# KiCad board LightRail_LPO_1.6T.kicad_pcb (continued)
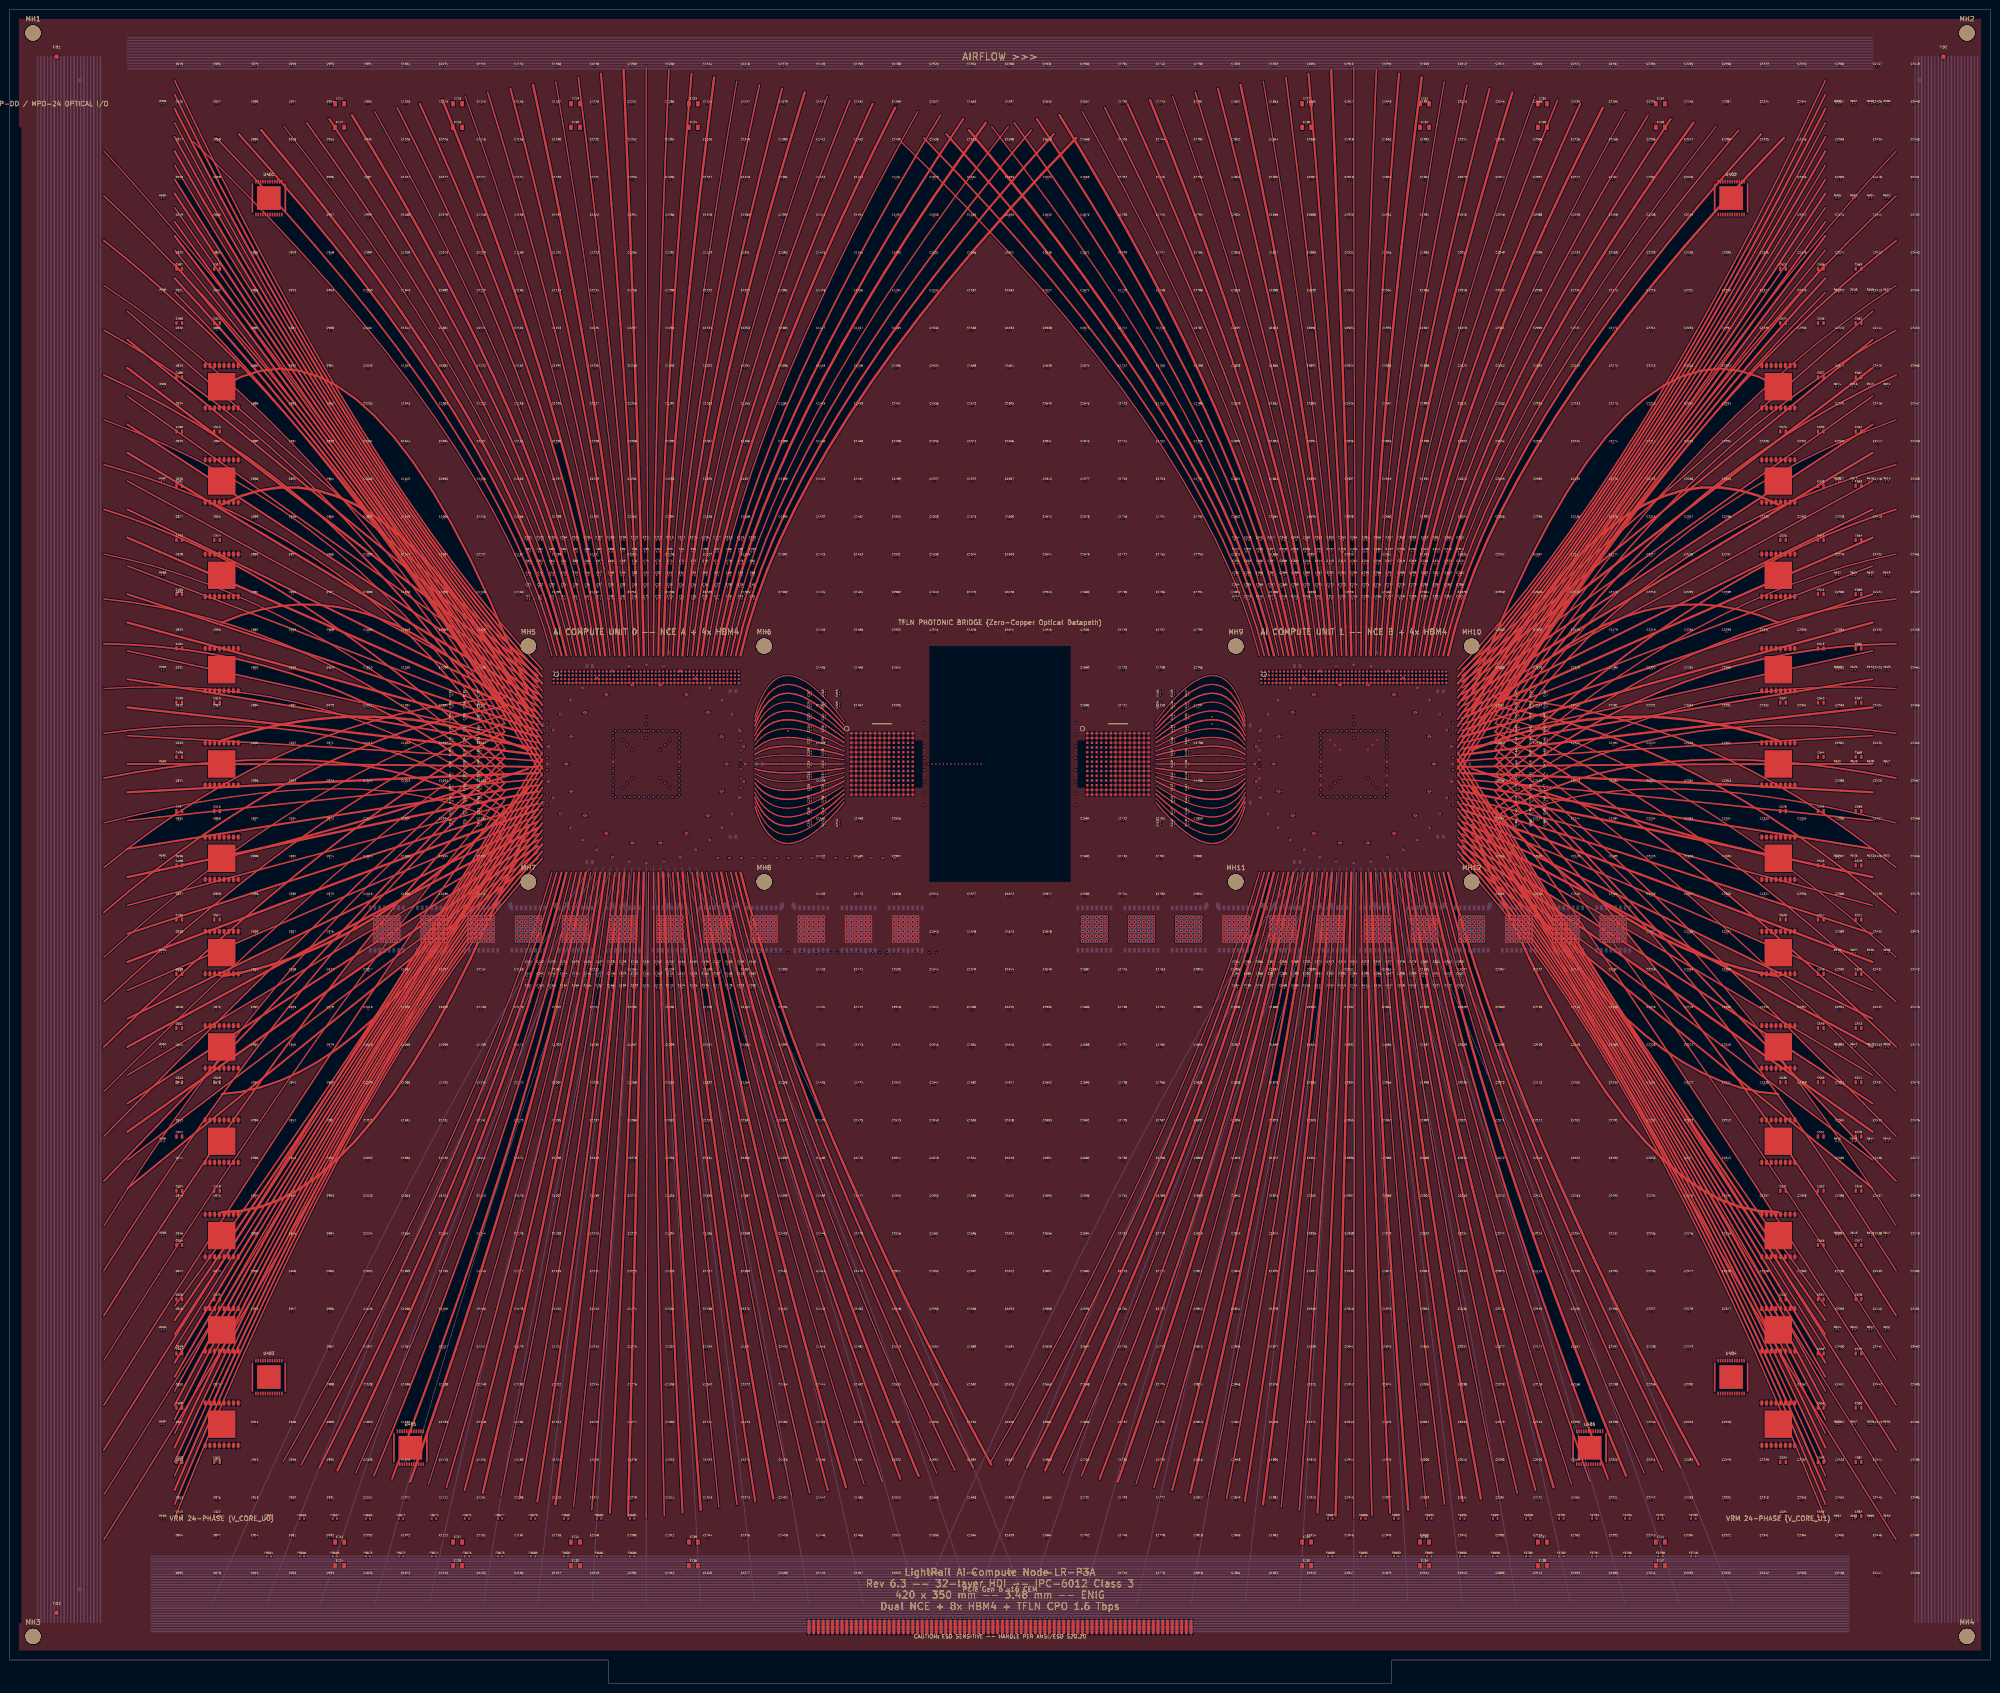
[diagram p0: board, top side]
## Routing (per net, layer and track width the routed paths; a pad name or vN(x,y) marks a point on that pad's centre or on a via; arc(x,y) is an arc through that point) (continued)
V_CORE_U0: length 2191.3
  Top w0.25: 115,172 113.02,165.42 110.83,158.67 108.43,151.76 105.81,144.69 102.99,137.45 99.95,130.05 96.71,122.48 93.25,114.75 89.58,106.85 85.7,98.8 81.61,90.57 77.31,82.19 72.8,73.64 68.08,64.92 63.15,56.04 58,47
  Top w0.33: 116.03,172 114.14,165.42 112.06,158.66 109.77,151.74 107.29,144.65 104.6,137.39 101.72,129.96 98.63,122.37 95.34,114.6 91.86,106.67 88.17,98.56 84.28,90.29 80.2,81.85 75.91,73.24 71.42,64.46 66.74,55.52 61.85,46.4
  Top w0.41: 65.7,45.8 70.33,54.99 74.77,64 79.02,72.85 83.08,81.51 86.96,90.01 90.64,98.33 94.13,106.48 97.44,114.45 100.55,122.25 103.48,129.88 106.21,137.33 108.76,144.61 111.12,151.72 113.28,158.65 115.26,165.41 117.05,172
  In9.Cu w0.8: 110,275 110,195 ; 110,195 110,175 ; 110,195 110,115 ; 110,195 110,75 ; 110,195 110,235 ; 110,195 110,255 ; 110,195 110,215 ; 110,195 110,135 ; 110,195 110,155 ; 110,195 110,95 ; 110,195 110,55
  In9.Cu w1: U310.EP 110,115 ; U302.EP 110,275 ; U307.EP 110,175 ; U311.EP 110,95 ; U303.EP 110,255 ; U308.EP 110,155 ; U312.EP 110,75 ; U305.EP 110,215 ; U304.EP 110,235 ; U306.EP 110,195 ; U309.EP 110,135 ; U313.EP 110,55
  In10.Cu w0.8: U336.EP 180,180 ; U332.EP 140,180 ; U330.EP 120,180 ; U335.EP 170,180 ; U331.EP 130,180 ; U329.EP 110,180 ; U334.EP 160,180 ; U333.EP 150,180 ; U327.EP 90,180 ; U326.EP 80,180 ; U328.EP 100,180 ; U337.EP 190,180
  vias: v4(107.5,162.5) v4(107.5,161.5) v4(107.5,160.5) v4(107.5,159.5) v4(107.5,158.5) v4(107.5,157.5) v4(108.5,162.5) v4(108.5,161.5) v4(108.5,160.5) v4(108.5,159.5) v4(108.5,158.5) v4(108.5,157.5) v4(109.5,162.5) v4(109.5,161.5) v4(109.5,160.5) v4(109.5,159.5) v4(109.5,158.5) v4(109.5,157.5) v4(110.5,162.5) v4(110.5,161.5) v4(110.5,160.5) v4(110.5,159.5) v4(110.5,158.5) v4(110.5,157.5) v4(111.5,162.5) v4(111.5,161.5) v4(111.5,160.5) v4(111.5,159.5) v4(111.5,158.5) v4(111.5,157.5) v4(112.5,162.5) v4(112.5,161.5) v4(112.5,160.5) v4(112.5,159.5) v4(112.5,158.5) v4(112.5,157.5)
V_CORE_U1: length 2052.9
  Top w0.41: 303.97,172 305.64,165.41 307.5,158.65 309.56,151.72 311.82,144.61 314.27,137.33 316.92,129.88 319.77,122.25 322.82,114.45 326.06,106.48 329.5,98.33 333.14,90.01 336.98,81.51 341.01,72.85 345.25,64 349.67,54.99 354.3,45.8
  Top w0.49: 305,172 306.76,165.42 308.73,158.66 310.91,151.74 313.29,144.65 315.88,137.39 318.69,129.96 321.69,122.37 324.91,114.6 328.34,106.67 331.97,98.56 335.81,90.29 339.87,81.85 344.12,73.24 348.59,64.46 353.27,55.52 358.15,46.4
  In9.Cu w0.8: 310,275 310,195 ; 310,195 310,175 ; 310,195 310,215 ; 310,195 310,235 ; 310,195 310,95 ; 310,195 310,255 ; 310,195 310,55 ; 310,195 310,135 ; 310,195 310,75 ; 310,195 310,115 ; 310,195 310,155
  In9.Cu w1: U315.EP 310,255 ; U316.EP 310,235 ; U319.EP 310,175 ; U325.EP 310,55 ; U318.EP 310,195 ; U321.EP 310,135 ; U324.EP 310,75 ; U323.EP 310,95 ; U322.EP 310,115 ; U314.EP 310,275 ; U317.EP 310,215 ; U320.EP 310,155
  In10.Cu w0.8: U347.EP 320,180 ; U339.EP 240,180 ; U342.EP 270,180 ; U345.EP 300,180 ; U341.EP 260,180 ; U349.EP 340,180 ; U344.EP 290,180 ; U348.EP 330,180 ; U346.EP 310,180 ; U343.EP 280,180 ; U338.EP 230,180 ; U340.EP 250,180
  vias: v4(227.5,162.5) v4(227.5,161.5) v4(227.5,160.5) v4(227.5,159.5) v4(227.5,158.5) v4(227.5,157.5) v4(228.5,162.5) v4(228.5,161.5) v4(228.5,160.5) v4(228.5,159.5) v4(228.5,158.5) v4(228.5,157.5) v4(229.5,162.5) v4(229.5,161.5) v4(229.5,160.5) v4(229.5,159.5) v4(229.5,158.5) v4(229.5,157.5) v4(230.5,162.5) v4(230.5,161.5) v4(230.5,160.5) v4(230.5,159.5) v4(230.5,158.5) v4(230.5,157.5) v4(231.5,162.5) v4(231.5,161.5) v4(231.5,160.5) v4(231.5,159.5) v4(231.5,158.5) v4(231.5,157.5) v4(232.5,162.5) v4(232.5,161.5) v4(232.5,160.5) v4(232.5,159.5) v4(232.5,158.5) v4(232.5,157.5) v4(237.5,162.5) v4(237.5,161.5) v4(237.5,160.5) v4(237.5,159.5) v4(237.5,158.5) v4(237.5,157.5) v4(238.5,162.5) v4(238.5,161.5) v4(238.5,160.5) v4(238.5,159.5) v4(238.5,158.5) v4(238.5,157.5) v4(239.5,162.5) v4(239.5,161.5) v4(239.5,160.5) v4(239.5,159.5) v4(239.5,158.5) v4(239.5,157.5) v4(240.5,162.5) v4(240.5,161.5) v4(240.5,160.5) v4(240.5,159.5) v4(240.5,158.5) v4(240.5,157.5) v4(241.5,162.5) v4(241.5,161.5) v4(241.5,160.5) v4(241.5,159.5) v4(241.5,158.5) v4(241.5,157.5) v4(242.5,162.5) v4(242.5,161.5) v4(242.5,160.5) v4(242.5,159.5) v4(242.5,158.5) v4(242.5,157.5) v4(247.5,162.5) v4(247.5,161.5) v4(247.5,160.5) v4(247.5,159.5) v4(247.5,158.5) v4(247.5,157.5) v4(248.5,162.5) v4(248.5,161.5) v4(248.5,160.5) v4(248.5,159.5) v4(248.5,158.5) v4(248.5,157.5) v4(249.5,162.5) v4(249.5,161.5) v4(249.5,160.5) v4(249.5,159.5) v4(249.5,158.5) v4(249.5,157.5) v4(250.5,162.5) v4(250.5,161.5) v4(250.5,160.5) v4(250.5,159.5) v4(250.5,158.5) v4(250.5,157.5) v4(251.5,162.5) v4(251.5,161.5) v4(251.5,160.5) v4(251.5,159.5) v4(251.5,158.5) v4(251.5,157.5) v4(252.5,162.5) v4(252.5,161.5) v4(252.5,160.5) v4(252.5,159.5) v4(252.5,158.5) v4(252.5,157.5) v4(307.5,162.5) v4(307.5,161.5) v4(307.5,160.5) v4(307.5,159.5) v4(307.5,158.5) v4(307.5,157.5) v4(308.5,162.5) v4(308.5,161.5) v4(308.5,160.5) v4(308.5,159.5) v4(308.5,158.5) v4(308.5,157.5) v4(309.5,162.5) v4(309.5,161.5) v4(309.5,160.5) v4(309.5,159.5) v4(309.5,158.5) v4(309.5,157.5) v4(310.5,162.5) v4(310.5,161.5) v4(310.5,160.5) v4(310.5,159.5) v4(310.5,158.5) v4(310.5,157.5) v4(311.5,162.5) v4(311.5,161.5) v4(311.5,160.5) v4(311.5,159.5) v4(311.5,158.5) v4(311.5,157.5) v4(312.5,162.5) v4(312.5,161.5) v4(312.5,160.5) v4(312.5,159.5) v4(312.5,158.5) v4(312.5,157.5)

## Copper pours and planes (outline as drawn; the poured copper is in the pictures)
GND on Top: 2,353 418,353 418,7 2,7
GND on Bottom: 2,353 418,353 418,7 2,7
GND on In1.Cu: 2,353 418,353 418,7 2,7
GND on In4.Cu: 2,353 418,353 418,7 2,7
GND on In6.Cu: 2,353 418,353 418,7 2,7
GND on In8.Cu: 2,353 418,353 418,7 2,7
GND on In13.Cu: 2,353 418,353 418,7 2,7
GND on In15.Cu: 2,353 418,353 418,7 2,7
GND on In17.Cu: 2,353 418,353 418,7 2,7
GND on In21.Cu: 2,353 418,353 418,7 2,7
GND on In23.Cu: 2,353 418,353 418,7 2,7
GND on In25.Cu: 2,353 418,353 418,7 2,7
GND on In27.Cu: 2,353 418,353 418,7 2,7
GND on In30.Cu: 2,353 418,353 418,7 2,7
V_AUX on In16.Cu: 2,353 418,353 418,7 2,7
V_AUX on In20.Cu: 2,353 418,353 418,7 2,7
V_CORE_U0 on In10.Cu: 2,353 210,353 210,7 2,7
V_CORE_U0 on In11.Cu: 2,353 210,353 210,7 2,7
V_CORE_U0 on In18.Cu: 2,353 210,353 210,7 2,7
V_CORE_U1 on In12.Cu: 210,353 418,353 418,7 210,7
V_CORE_U1 on In14.Cu: 210,353 418,353 418,7 210,7
V_CORE_U1 on In19.Cu: 210,353 418,353 418,7 210,7

## Text on the board
B.Silkscreen: LR-P3A Rev 6.3 -- B.Cu DrMOS Vertical Power Delivery
F.Fabrication: SILICON INTERPOSER (NCE A + 4x HBM4) | SILICON INTERPOSER (NCE B + 4x HBM4)
F.Silkscreen: CAUTION: ESD SENSITIVE -- HANDLE PER ANSI/ESD S20.20 | QSFP-DD / MPO-24 OPTICAL I/O | VRM 24-PHASE (V_CORE_U0) | TFLN PHOTONIC BRIDGE (Zero-Copper Optical Datapath) | PCIe Gen 6 x16 CEM | VRM 24-PHASE (V_CORE_U1) | AI COMPUTE UNIT 0 -- NCE A + 4x HBM4 | AI COMPUTE UNIT 1 -- NCE B + 4x HBM4 | AIRFLOW >>> | LightRail AI Compute Node LR-P3A / Rev 6.3 -- 32-layer HDI -- IPC-6012 Class 3 / 420 x 350 mm -- 3.48 mm -- ENIG / Dual NCE + 8x HBM4 + TFLN CPO 1.6 Tbps
